# KiCad board theremin.kicad_pcb
title: Clara; date: 2024-09-18; rev: rev2.1; company: Bristol Communal Modular; note: creativecommons.org/licenses/by/4.0; note: License: CC BY 4.0; note: Authors: Guy John, Robin Thorn
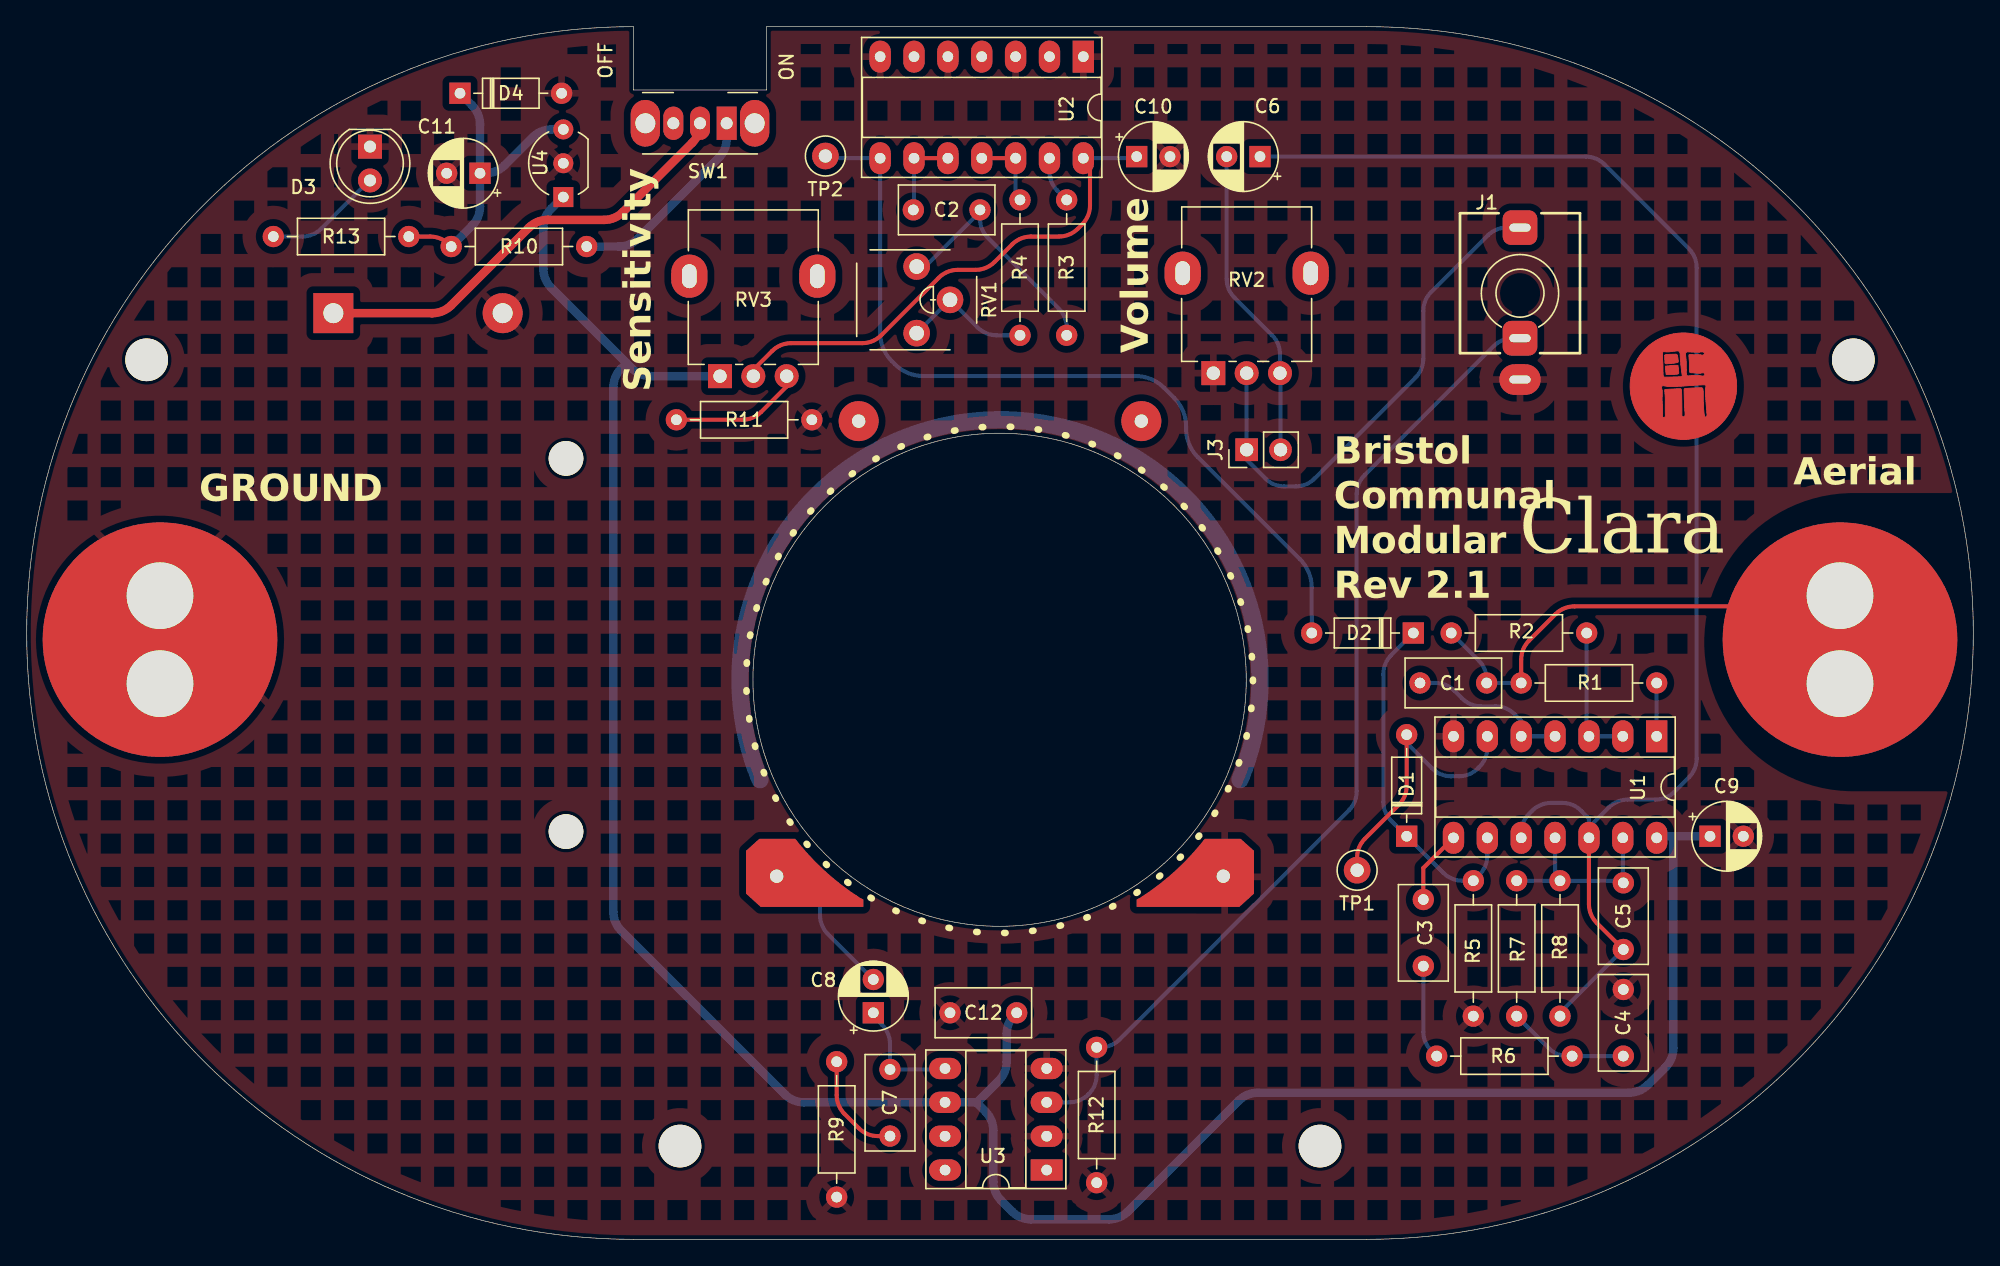
[diagram p0: board, top side]
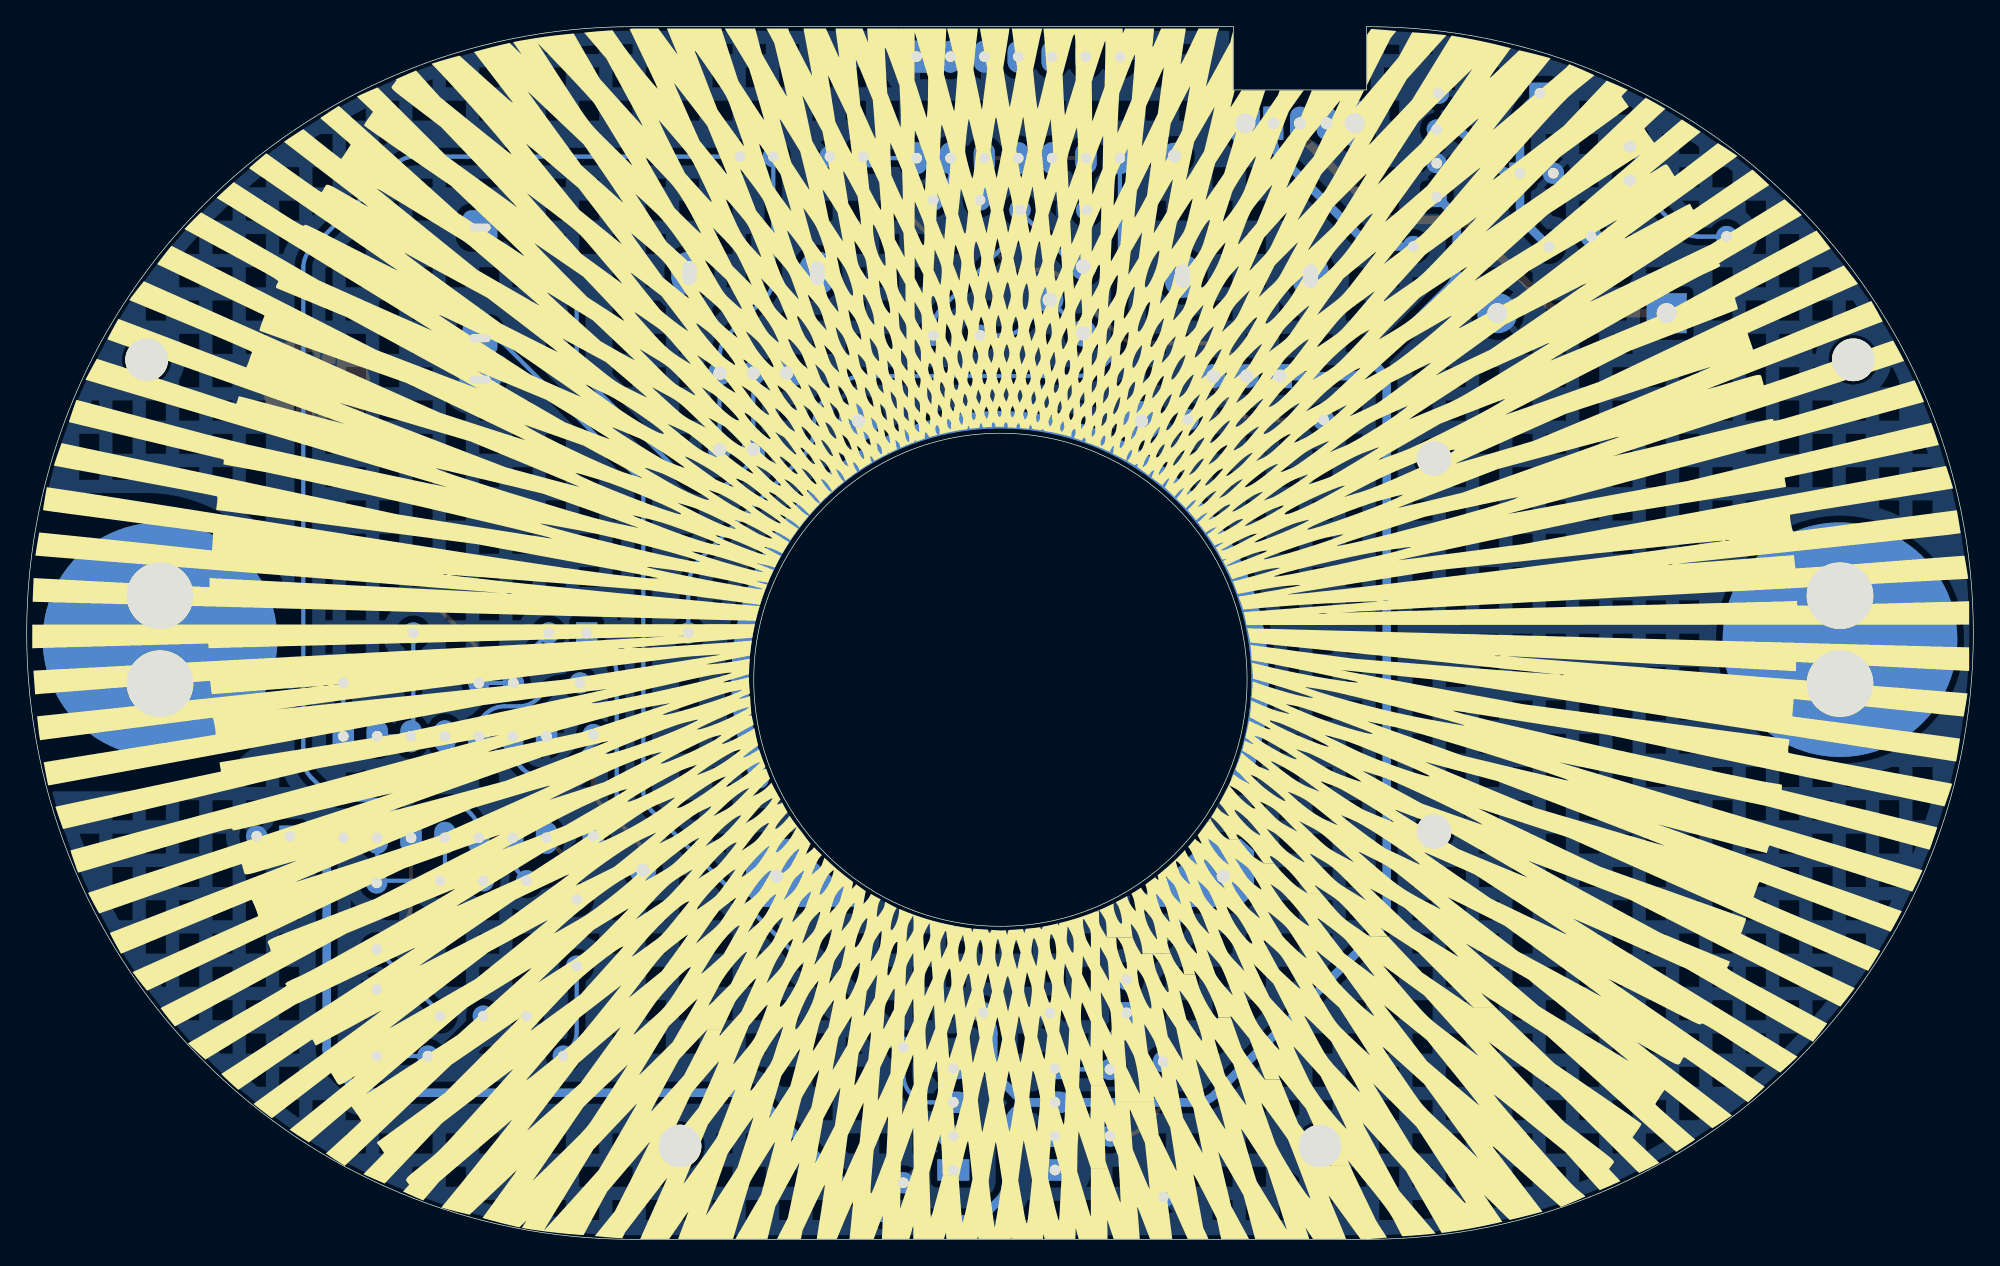
[diagram p1: board, bottom side, seen from below]

Outline 146 x 91 mm; copper layers: Top, Bottom. Coordinates in mm from the lower left corner of the outline.
Outline path: 45.5,91 45.5,86.25 55.5,86.25 55.5,91 100.5,91 arc(146,45.5) 100.5,0 45.5,0 arc(0,45.5) 45.5,91
Stack: Top 0.035mm / dielectric 1.51mm FR4 er 4.5 / Bottom 0.035mm

## Placement (name value [footprint] x y rotation side)
BT1  9V  [BatteryHolder_Eagle_12BH611-GRMODDEDBYROBIN]  23 69.5 90 bottom
C1  100pF  [C_Rect_L7.0mm_W3.5mm_P5.00mm]  104.5 41.75 0 top
C2  100pF  [C_Rect_L7.0mm_W3.5mm_P5.00mm]  66.5 77.25 0 top
C3  100nF  [C_Rect_L7.0mm_W3.5mm_P5.00mm]  104.75 25.5 270 top
C4  10nF  [C_Rect_L7.0mm_W3.5mm_P5.00mm]  119.75 18.75 270 top
C5  10nF  [C_Rect_L7.0mm_W3.5mm_P5.00mm]  119.75 21.75 90 top
C6  10uF  [CP_Radial_D5.0mm_P2.50mm]  92.5 81.25 180 top
C7  47nF  [C_Rect_L7.0mm_W3.5mm_P5.00mm]  64.75 7.75 90 top
C8  10uF  [CP_Radial_D5.0mm_P2.50mm]  63.5 17 90 top
C9  10uF  [CP_Radial_D5.0mm_P2.50mm]  126.25 30.25 0 top
C10  10uF  [CP_Radial_D5.0mm_P2.50mm]  83.25 81.25 0 top
C11  10uF  [CP_Radial_D5.0mm_P2.50mm]  34 80 180 top
C12  100nF  [C_Rect_L7.0mm_W3.5mm_P5.00mm]  74.25 17 180 top
D1  1N4148  [D_DO-35_SOD27_P7.62mm_Horizontal]  103.5 30.25 90 top
D2  1N4148  [D_DO-35_SOD27_P7.62mm_Horizontal]  104 45.5 180 top
D3  LED  [LED_D5.0mm]  25.75 82 270 top
D4  1N4148  [D_DO-35_SOD27_P7.62mm_Horizontal]  32.5 86 0 top
EF**  -  [MountingHole_3.2mm_M3]  9 66 0 top
EF**#2  -  [MountingHole_3.2mm_M3]  49 7 0 top
EF**#3  -  [MountingHole_3.2mm_M3]  97 7 0 top
EF**#4  -  [MountingHole_3.2mm_M3]  137 66 0 top
H1  MountingHole_Pad  [crocclipcircleee]  10 45 0 top
H2  MountingHole_Pad  [crocclipcircleee]  136 45 0 top
J1  Eurorack Mono Jack  [Jack_3.5mm_QingPu_WQP-PJ398SM_Vertical]  112 71 0 top
J3  Expression Attachment  [PinHeader_1x02_P2.54mm_Vertical]  91.5 59.25 90 top  (not fitted)
LS1  Speaker  [40mmSpeakerdropin]  73 42 0 top
R1  270k  [R_Axial_DIN0207_L6.3mm_D2.5mm_P10.16mm_Horizontal]  122.25 41.75 180 top
R2  27k  [R_Axial_DIN0207_L6.3mm_D2.5mm_P10.16mm_Horizontal]  117 45.5 180 top
R3  270k  [R_Axial_DIN0207_L6.3mm_D2.5mm_P10.16mm_Horizontal]  78 78 270 top
R4  22k  [R_Axial_DIN0207_L6.3mm_D2.5mm_P10.16mm_Horizontal]  74.5 78 270 top
R5  27k  [R_Axial_DIN0207_L6.3mm_D2.5mm_P10.16mm_Horizontal]  108.5 16.75 90 top
R6  22k  [R_Axial_DIN0207_L6.3mm_D2.5mm_P10.16mm_Horizontal]  105.75 13.75 0 top
R7  22k  [R_Axial_DIN0207_L6.3mm_D2.5mm_P10.16mm_Horizontal]  111.75 16.75 90 top
R8  270k  [R_Axial_DIN0207_L6.3mm_D2.5mm_P10.16mm_Horizontal]  115 16.75 90 top
R9  10r  [R_Axial_DIN0207_L6.3mm_D2.5mm_P10.16mm_Horizontal]  60.75 3.17 90 top
R10  100r  [R_Axial_DIN0207_L6.3mm_D2.5mm_P10.16mm_Horizontal]  42 74.5 180 top
R11  27k  [R_Axial_DIN0207_L6.3mm_D2.5mm_P10.16mm_Horizontal]  58.89 61.5 180 top
R12  270k  [R_Axial_DIN0207_L6.3mm_D2.5mm_P10.16mm_Horizontal]  80.25 4.25 90 top
R13  10k  [R_Axial_DIN0207_L6.3mm_D2.5mm_P10.16mm_Horizontal]  18.5 75.25 0 top
REF**  -  [BCM_Logo_tiny_Copper_8mmx8mm]  124.25 64 0 top
RV1  10k  [Potentiometer_THT_Bourns_3306P_Vertical]  68 70.5 270 top
RV2  25k  [Potentiometer_Alpha_RD901F-40-00D_Single_Vertical]  89 65 90 top
RV3  1k  [Potentiometer_Alpha_RD901F-40-00D_Single_Vertical]  52 64.78 90 top
SW1  SW_SPDT  [SW_Slide_SPDT_Angled_CK_OS102011MA1Q]  52.5 83.75 180 top
TP1  TestPoint  [TestPoint_Loop_D2.50mm_Drill1.0mm_LowProfile]  99.78 27.7 0 top
TP2  TestPoint  [TestPoint_Loop_D2.50mm_Drill1.0mm_LowProfile]  59.91 81.29 0 top
U1  4069  [DIP-14_W7.62mm_Socket_LongPads]  122.25 37.75 270 top
U2  4069  [DIP-14_W7.62mm_Socket_LongPads]  79.25 88.75 270 top
U3  LM386  [DIP-8_W7.62mm_Socket_LongPads]  76.5 5.2 180 top
U4  LP2950-5.0_TO92  [TO-92_Inline_Wide]  40.25 78.21 90 top

## Library data of the parts
BT1 = -: Description: Multiple-cell battery
C1 C2 = -: Spec: ceramic C0G; Tolerance: 1%; ki_fp_filters: C_*
C3-C5 C7 = -: Spec: ceramic C0G; Tolerance: 5%; ki_fp_filters: C_*
C6 C8-C11 = -: Spec: electrolytic; Tolerance: 20%; Voltage: 50v; ki_fp_filters: CP_*
C12 = -: Spec: ceramic X7R; Tolerance: 5%; ki_fp_filters: C_*
D1 D2 D4 = -: Datasheet: https://assets.nexperia.com/documents/data-sheet/1N4148_1N4448.pdf; Sim.Device: D; Sim.Pins: 1=K 2=A; ki_fp_filters: D*DO?35*
D3 = -: Description: Light emitting diode; ki_fp_filters: LED* LED_SMD:* LED_THT:*
H1 H2 = -: ki_fp_filters: MountingHole*Pad*
J1 = -: Description: Audio Jack, 2 Poles (Mono / TS), Switched T Pole (Normalling); mpn: WQP-WQP518MA; ki_fp_filters: Jack*
J3 = -: ki_fp_filters: Connector*:*_1x??_*
R1-R12 = -: Power: 0.5W; Spec: metal film; Tolerance: 1%; ki_fp_filters: R_*
R13 = -: Tolerance: 1%; Power: 0.5W; Spec: metal film; ki_fp_filters: R_*
RV1 = -: Description: Trim-potentiometer; Spec: single turn; ki_fp_filters: Potentiometer*
RV2 RV3 = -: Description: Potentiometer; ki_fp_filters: Potentiometer*
SW1 = -: Description: Switch, single pole double throw; MPRN: OS102011MA1QN1
TP1 TP2 = -: Description: test point; ki_fp_filters: Pin* Test*
U1 U2 = -: Datasheet: http://www.intersil.com/content/dam/Intersil/documents/cd40/cd4069ubms.pdf; ki_fp_filters: DIP?14*
U3 = -: Datasheet: http://www.ti.com/lit/ds/symlink/lm386.pdf; ki_fp_filters: SOIC*3.9x4.9mm*P1.27mm* DIP*W7.62mm* MSSOP*P0.65mm* TSSOP*3x3mm*P0.5mm*
U4 = -: Datasheet: http://www.ti.com/lit/ds/symlink/lp2951.pdf; ki_fp_filters: TO?92*

## Footprints (pads in the part's own frame, mm; a bottom-side part is the same pattern mirrored in y, then rotated)
40mmSpeakerdropin
  round 3 hole 1: (-10.6,19.4) (10.6,19.4)
  custom 8.8x5.1 hole 1: 1(-16.75,-14.75) 2(16.75,-14.75)
BatteryHolder_Eagle_12BH611-GRMODDEDBYROBIN
  round 2.6 hole 2.6 unplated: (-38.9,17.45) (-10.9,17.45)
  rect 3x3 hole 1.5: 1(0,0)
  round 3 hole 1.5: 2(0,12.7)
C_Rect_L7.0mm_W3.5mm_P5.00mm
  round 1.6 hole 0.8: 1(0,0) 2(5,0)
CP_Radial_D5.0mm_P2.50mm
  rect 1.6x1.6 hole 0.8: 1(0,0)
  round 1.6 hole 0.8: 2(2.5,0)
crocclipcircleee
  custom 17.6x17.59 hole 5: 1(0,3.3)
  round 6 hole 5: 1(0,-3.3)
D_DO-35_SOD27_P7.62mm_Horizontal
  rect 1.6x1.6 hole 0.8: 1(0,0)
  oval 1.6x1.6 hole 0.8: 2(7.62,0)
DIP-8_W7.62mm_Socket_LongPads
  rect 2.4x1.6 hole 0.8: 1(0,0)
  oval 2.4x1.6 hole 0.8: 2(0,-2.54) 3(0,-5.08) 4(0,-7.62) 5(7.62,-7.62) 6(7.62,-5.08) 7(7.62,-2.54) 8(7.62,0)
DIP-14_W7.62mm_Socket_LongPads
  rect 2.4x1.6 hole 0.8: 1(0,0)
  oval 2.4x1.6 hole 0.8: 2(0,-2.54) 3(0,-5.08) 4(0,-7.62) 5(0,-10.16) 6(0,-12.7) 7(0,-15.24) 8(7.62,-15.24) 9(7.62,-12.7) 10(7.62,-10.16) 11(7.62,-7.62) 12(7.62,-5.08) 13(7.62,-2.54) 14(7.62,0)
Jack_3.5mm_QingPu_WQP-PJ398SM_Vertical
  oval 3.1x2.3 hole 1.6x0.6: S(0,-6.48)
  rrect 2.6x2.6 hole 1.6x0.6: T(0,4.92) TN(0,-3.38)
LED_D5.0mm
  rect 1.8x1.8 hole 0.9: 1(0,0)
  round 1.8 hole 0.9: 2(2.54,0)
MountingHole_3.2mm_M3
  round 3.2 hole 3.2 unplated: (0,0)
PinHeader_1x02_P2.54mm_Vertical
  rect 1.7x1.7 hole 1: 1(0,0)
  oval 1.7x1.7 hole 1: 2(0,-2.54)
Potentiometer_Alpha_RD901F-40-00D_Single_Vertical
  oval 3.24x2.72 hole 1.8x1.1: (7.5,2.3) (7.5,-7.3)
  rect 1.8x1.8 hole 1: 1(0,0)
  round 1.8 hole 1: 2(0,-2.5) 3(0,-5)
Potentiometer_THT_Bourns_3306P_Vertical
  round 2 hole 1.1: 1(-2.5,-1.25) 2(0,1.25) 3(2.5,-1.25)
R_Axial_DIN0207_L6.3mm_D2.5mm_P10.16mm_Horizontal
  round 1.6 hole 0.8: 1(0,0)
  oval 1.6x1.6 hole 0.8: 2(10.16,0)
SW_Slide_SPDT_Angled_CK_OS102011MA1Q
  oval 2.2x3.5 hole 1.5: (-2.1,0) (6.1,0)
  rect 1.5x2.5 hole 0.9: 1(0,0)
  oval 1.5x2.5 hole 0.9: 2(2,0) 3(4,0)
TestPoint_Loop_D2.50mm_Drill1.0mm_LowProfile
  round 2 hole 1: 1(0,0)
TO-92_Inline_Wide
  rect 1.5x1.5 hole 0.8: 1(0,0)
  round 1.5 hole 0.8: 2(2.54,0) 3(5.08,0)

## Nets
GND: BT1.2 C4.1 C9.2 C10.2 C11.2 C12.2 D3.1 D4.2 H1.1 J1.S LS1.2 R5.1 R9.1 R11.1 R12.1 RV2.1 U1.7 U2.1 U2.3 U2.5 U2.7 U3.2 U3.4 U4.2
VCC: C9.1 C12.1 RV3.1 U1.14 U3.6 U4.1
/SPEAKER_AMP: J1.TN R12.2 U3.3
Net-(BT1-+): BT1.1 SW1.2
Net-(C1-Pad1): C1.1 U1.4 U1.5
Net-(C1-Pad2): C1.2 H2.1 R1.2 R2.2
Net-(C2-Pad1): C2.1 U2.9 U2.10
Net-(C2-Pad2): C2.2 R3.2 RV1.1
Net-(C3-Pad1): C3.1 U1.8
Net-(C3-Pad2): C3.2 R6.1
Net-(C4-Pad2): C4.2 R6.2 R7.1
Net-(C5-Pad1): C5.1 C6.1 R8.1 U1.10 U1.12
Net-(C5-Pad2): C5.2 R7.2 R8.2 U1.11 U1.13
Net-(C7-Pad1): C7.1 R9.2
Net-(C7-Pad2): C7.2 C8.1 U3.5
Net-(C8-Pad2): C8.2 LS1.1
Net-(D1-A): D1.2 TP1.1 U1.6
Net-(D1-K): D1.1 D2.1 R5.2 U1.9
Net-(D2-A): D2.2 TP2.1 U2.8
Net-(D3-A): D3.2 R13.1
Net-(D4-K): C11.1 D4.1 R10.2 R13.2 U4.3
Net-(J3-Pin_1): J1.T J3.1 RV2.2
Net-(J3-Pin_2): C6.2 J3.2 RV2.3
Net-(R1-Pad1): R1.1 U1.1
Net-(R2-Pad1): R2.1 U1.2 U1.3
Net-(R3-Pad1): R3.1 U2.13
Net-(R4-Pad1): R4.1 U2.11 U2.12
Net-(R4-Pad2): R4.2 RV1.2 RV1.3
Net-(R11-Pad2): R11.2 RV3.3
Net-(SW1-A): R10.1 SW1.1
Net-(U2G-VDD): C10.1 RV3.2 U2.14

Pads without a net: SW1 3; U2 2 4 6; U3 1 7 8

## Routing (per net, layer and track width the routed paths; a pad name or vN(x,y) marks a point on that pad's centre or on a via; arc(x,y) is an arc through that point)
GND: length 3
  Bottom w0.305: 9.75,42.09 9.76,42.1 arc(9.77,42.11) 9.77,42.13 9.77,45.07
VCC: length 189.9
  Bottom w0.635: 45,65.75 44.59,65.34 arc(44.15,64.69) 44,63.92 44,24.58 arc(44.15,23.81) 44.59,23.16 56.88,10.87 arc(57.53,10.43) 58.3,10.28 U3.6 71.28,10.28 ; 45,65.75 45.39,65.36 arc(46.04,64.93) 46.8,64.78 RV3.1 ; 45,65.75 39.34,71.41 arc(38.9,72.06) 38.75,72.83 38.75,75.92 arc(38.9,76.69) 39.34,77.34 40.21,78.21 U4.1 ; 123.5,30.25 122.37,30.25 U1.14 ; 123.5,30.25 C9.1 ; 123.5,30.25 123.5,14.33 arc(123.35,13.56) 122.91,12.91 121.59,11.59 arc(120.94,11.15) 120.17,11 92.33,11 arc(91.56,10.85) 90.91,10.41 82.59,2.09 arc(81.94,1.65) 81.17,1.5 75.33,1.5 arc(74.56,1.65) 73.91,2.09 73.09,2.91 arc(72.65,3.56) 72.5,4.33 72.5,8.17 arc(72.35,8.94) 71.91,9.59 71.28,10.22 71.28,10.28 ; 71.28,10.28 72.91,11.91 arc(73.35,12.56) 73.5,13.33 73.5,15.42 arc(73.65,16.19) 74.09,16.84 C12.1
/SPEAKER_AMP: length 74.5
  Bottom w0.305: J1.TN 111.45,67.62 arc(110.68,67.47) 110.03,67.03 100.34,57.34 arc(99.9,56.69) 99.75,55.92 99.75,33.61 arc(99.6,32.84) 99.16,32.19 81.97,15 arc(81.32,14.56) 80.55,14.41 R12.2 80.25,12.33 arc(80.1,11.56) 79.66,10.91 79.62,10.87 arc(78.97,10.43) 78.2,10.28 U3.3
Net-(BT1-+): length 33.6
  Top w0.635: SW1.2 50.5,83.69 arc(50.35,82.93) 49.91,82.28 44.72,77.09 arc(44.07,76.65) 43.31,76.5 39.08,76.5 arc(38.31,76.35) 37.66,75.91 31.84,70.09 arc(31.19,69.65) 30.42,69.5 BT1.1
Net-(C1-Pad1): length 12.2
  Bottom w0.305: U1.4 U1.5 112.09,38.91 111.59,39.41 arc(110.94,39.85) 110.17,40 109.08,40 arc(108.31,40.15) 107.66,40.59 107.09,41.16 arc(106.44,41.6) 105.67,41.75 C1.1
Net-(C1-Pad2): length 35.3
  Top w0.305: R1.2 112.09,43.51 arc(112.24,44.28) 112.68,44.93 114.66,46.91 arc(115.31,47.35) 116.08,47.5 132.01,47.5 arc(132.78,47.35) 133.42,46.91 135.34,45
  Bottom w0.305: R2.2 108.91,43.43 arc(109.35,42.78) 109.5,42.01 C1.2 R1.2
Net-(C2-Pad1): length 6.4
  Top w0.305: U2.9 U2.10
  Bottom w0.305: U2.9 66.55,77.3 C2.1
Net-(C2-Pad2): length 18.5
  Bottom w0.305: R3.2 78,68.42 arc(77.85,69.19) 77.41,69.84 72.09,75.16 arc(71.65,75.81) 71.5,76.58 C2.2 71.5,77.11 67.59,73.2 arc(67.35,73.03) 67.06,72.95 66.8,72.95 RV1.1
Net-(C3-Pad1): length 5.6
  Top w0.305: U1.8 104.75,27.87 C3.1
Net-(C3-Pad2): length 7.1
  Bottom w0.305: R6.1 105.34,14.16 arc(104.9,14.81) 104.75,15.58 C3.2
Net-(C4-Pad2): length 9.2
  Bottom w0.305: C4.2 R6.2 115.58,13.75 arc(114.81,13.9) 114.16,14.34 R7.1
Net-(C5-Pad1): length 109.5
  Top w0.305: U1.12 117.17,25.16 arc(117.32,24.39) 117.76,23.74 C5.1
  Bottom w0.305: C6.1 116.92,81.25 arc(117.69,81.1) 118.34,80.66 124.66,74.34 arc(125.1,73.69) 125.25,72.92 125.25,36.08 arc(125.1,35.31) 124.66,34.66 123.59,33.59 arc(122.94,33.15) 122.17,33 120.08,33 arc(119.31,32.85) 118.66,32.41 117.17,30.92 U1.12 117.17,31.58 116.59,32.16 arc(115.94,32.6) 115.17,32.75 114.33,32.75 arc(113.56,32.6) 112.91,32.16 112.68,31.93 arc(112.24,31.28) 112.09,30.51 U1.10 ; R8.1 115,17 C5.1
Net-(C5-Pad2): length 14.8
  Bottom w0.305: R7.2 R8.2 ; R8.2 119.59,26.91 C5.2 119.71,26.79 U1.13 ; R8.2 114.63,27.28 U1.11
Net-(C7-Pad1): length 8.1
  Top w0.305: R9.2 60.75,10.83 arc(60.9,10.06) 61.34,9.41 62.41,8.34 arc(63.06,7.9) 63.83,7.75 C7.1
Net-(C7-Pad2): length 8.8
  Bottom w0.305: U3.5 68.81,12.75 C7.2 64.75,14.67 arc(64.6,15.44) 64.16,16.09 63.5,16.75 C8.1
Net-(C8-Pad2): length 9.9
  Bottom w0.305: 59.5,27.8 59.5,24.33 arc(59.65,23.56) 60.09,22.91 C8.2
Net-(D1-A): length 21.2
  Top w0.305: TP1.1 99.78,28.65 arc(99.94,29.41) 100.37,30.06 102.91,32.61 arc(103.35,33.26) 103.5,34.02 D1.2
  Bottom w0.305: U1.6 109.55,36.88 arc(109.4,36.11) 108.96,35.46 108.84,35.34 arc(108.19,34.9) 107.42,34.75 106.83,34.75 arc(106.06,34.9) 105.41,35.34 103.5,37.25 D1.2
Net-(D1-K): length 26.6
  Bottom w0.305: D2.1 102.34,43.84 arc(101.9,43.19) 101.75,42.42 101.75,32.83 arc(101.9,32.06) 102.34,31.41 D1.1 106.25,27.5 arc(106.9,27.06) 107.67,26.91 R5.2 108.96,27.37 arc(109.4,28.02) 109.55,28.79 U1.9
Net-(D2-A): length 63.2
  Bottom w0.305: D2.2 96.38,48.91 arc(96.15,50.06) 95.5,51.03 87.84,58.7 arc(87.19,59.67) 86.96,60.82 86.96,61 arc(86.73,62.15) 86.08,63.12 85.3,63.91 arc(84.32,64.56) 83.17,64.78 67.24,64.78 arc(66.1,65.01) 65.12,65.66 64.89,65.9 arc(64.24,66.87) 64.01,68.02 U2.8 60.07,81.13 TP2.1
Net-(D3-A): length 8.9
  Bottom w0.305: D3.2 25.71,79.46 22.09,75.84 arc(21.44,75.4) 20.67,75.25 R13.1
Net-(D4-K): length 23.7
  Top w0.305: R13.2 30.26,75.25 arc(31.03,75.1) 31.68,74.66 R10.2
  Bottom w0.635: D4.1 33.41,85.09 arc(33.85,84.44) 34,83.67 C11.1 ; C11.1 34,77.49 arc(33.85,76.72) 33.41,76.07 R10.2 ; C11.1 34.42,80 arc(35.19,80.15) 35.84,80.59 37.95,82.7 arc(38.6,83.14) 39.37,83.29 U4.3
Net-(J3-Pin_1): length 38.5
  Bottom w0.305: J1.T 111,75.92 arc(110.23,75.77) 109.58,75.33 105.34,71.09 arc(104.9,70.44) 104.75,69.67 104.75,66.08 arc(104.6,65.31) 104.16,64.66 96.59,57.09 arc(95.94,56.65) 95.17,56.5 94.33,56.5 arc(93.56,56.65) 92.91,57.09 91.5,58.5 J3.1 RV2.2
Net-(J3-Pin_2): length 23.5
  Bottom w0.305: C6.2 90,72.08 arc(90.15,71.31) 90.59,70.66 93.41,67.84 arc(93.85,67.19) 94,66.42 RV2.3 94,64.75 94.04,64.71 J3.2
Net-(R1-Pad1): length 4
  Bottom w0.305: R1.1 U1.1
Net-(R2-Pad1): length 10.4
  Bottom w0.305: R2.1 117,37.92 U1.3 U1.2
Net-(R3-Pad1): length 3.6
  Bottom w0.305: R3.1 77.3,78.7 arc(76.86,79.35) 76.71,80.12 U2.13
Net-(R4-Pad1): length 5.8
  Top w0.305: U2.11 U2.12
  Bottom w0.305: R4.1 74.17,78.33 U2.12
Net-(R4-Pad2): length 9.8
  Bottom w0.305: R4.2 72.74,67.84 arc(71.97,67.99) 71.32,68.43 RV1.2 RV1.3
Net-(R11-Pad2): length 10
  Top w0.305: RV3.3 57,64 55.09,62.09 arc(54.44,61.65) 53.67,61.5 R11.2
Net-(SW1-A): length 15.3
  Bottom w0.635: SW1.1 52.5,82.58 arc(52.35,81.81) 51.91,81.16 45.84,75.09 arc(45.19,74.65) 44.42,74.5 R10.1
Net-(U2G-VDD): length 38.5
  Top w0.305: U2.14 79.75,80.63 79.75,77.58 arc(79.6,76.81) 79.16,76.16 78.84,75.84 arc(78.19,75.4) 77.42,75.25 75.33,75.25 arc(74.56,75.1) 73.91,74.66 72.59,73.34 arc(71.94,72.9) 71.17,72.75 69.83,72.75 arc(69.06,72.6) 68.41,72.16 64.09,67.84 arc(63.44,67.4) 62.67,67.25 57.33,67.25 arc(56.56,67.1) 55.91,66.66 54.5,65.25 RV3.2
  Bottom w0.305: C10.1 83.13,81.13 U2.14

## Copper pours and planes (outline as drawn; the poured copper is in the pictures)
GND on Top: -1.01,94.5 148.99,94.5 148.99,-0.5 -1.01,-0.5
GND on Bottom: -1.01,94.5 148.99,94.5 148.99,-0.5 -1.01,-0.5

## Text on the board
B.Mask: Thawney Woz Ere
F.Silkscreen: OFF | ON | Bristol / Communal / Modular / Rev 2.1 | GROUND | Aerial | Sensitivity | Volume | Clara
